# Altium PCB 电解水杯拼版6in1.PcbDoc (part 1 of 9) (continued)
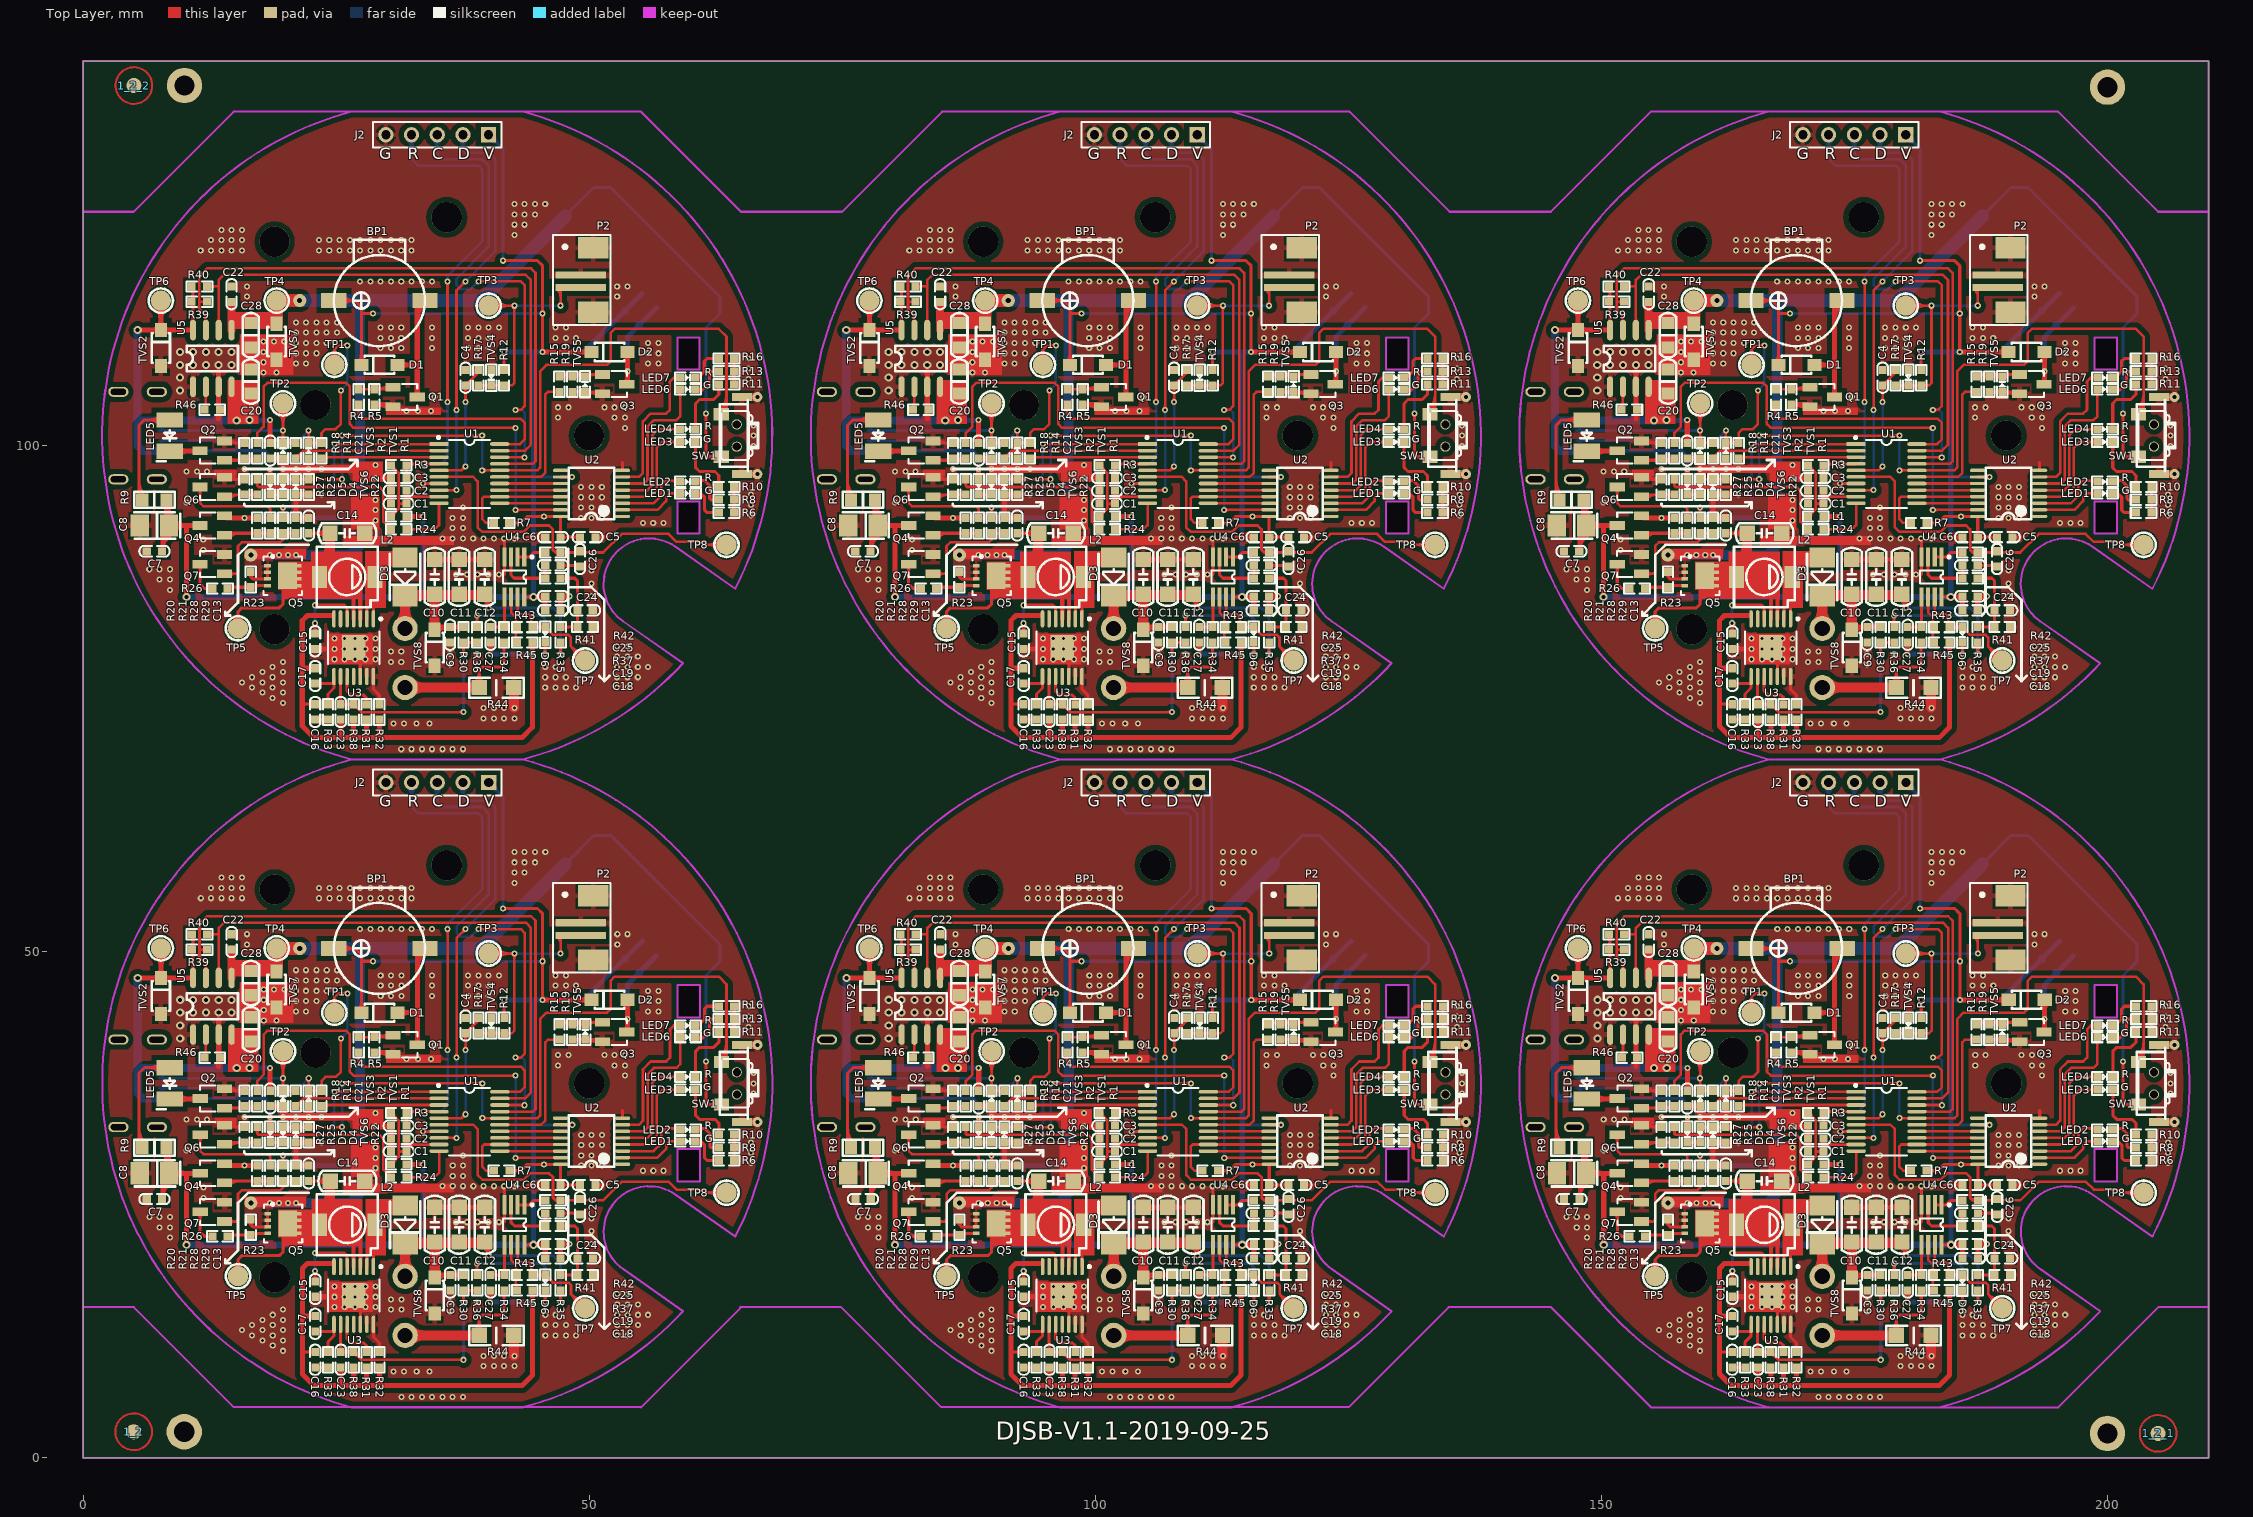
[diagram p0: Top Layer view]
## Components (designator, comment, footprint, x,y, rotation, side; value= is the part's Value field where it differs from the comment) (continued)
Q5 "AON7407" DFN3*3-8 89.758,23.157 r270 top
Q5 "AON7407" DFN3*3-8 19.758,23.157 r270 top
Q5 "AON7407" DFN3*3-8 159.752,87.157 r270 top
Q5 "AON7407" DFN3*3-8 89.752,87.157 r270 top
Q5 "AON7407" DFN3*3-8 19.752,87.157 r270 top
Q6 "S8050" SOT-23 152.773,31.92 r90 top
Q6 "S8050" SOT-23 82.773,31.92 r90 top
Q6 "S8050" SOT-23 12.773,31.92 r90 top
Q6 "S8050" SOT-23 152.767,95.92 r90 top
Q6 "S8050" SOT-23 82.767,95.92 r90 top
Q6 "S8050" SOT-23 12.767,95.92 r90 top
Q7 "S8050" SOT-23 152.773,24.3 r90 top
Q7 "S8050" SOT-23 82.773,24.3 r90 top
Q7 "S8050" SOT-23 12.773,24.3 r90 top
Q7 "S8050" SOT-23 152.767,88.3 r90 top
Q7 "S8050" SOT-23 82.767,88.3 r90 top
Q7 "S8050" SOT-23 12.767,88.3 r90 top
R1 "1K" SMD-0603 163.568,35.511 r270 top
R1 "1K" SMD-0603 93.568,35.511 r270 top
R1 "1K" SMD-0603 23.568,35.511 r270 top
R1 "1K" SMD-0603 163.562,99.511 r270 top
R1 "1K" SMD-0603 93.562,99.511 r270 top
R1 "1K" SMD-0603 23.562,99.511 r270 top
R2 "1K" SMD-0603 161.028,35.511 r270 top
R2 "1K" SMD-0603 91.028,35.511 r270 top
R2 "1K" SMD-0603 21.028,35.511 r270 top
R2 "1K" SMD-0603 161.022,99.511 r270 top
R2 "1K" SMD-0603 91.022,99.511 r270 top
R2 "1K" SMD-0603 21.022,99.511 r270 top
R3 "10K" SMD-0603 171.188,34.079 r0 top
R3 "10K" SMD-0603 101.188,34.079 r0 top
R3 "10K" SMD-0603 31.188,34.079 r0 top
R3 "10K" SMD-0603 171.182,98.079 r0 top
R3 "10K" SMD-0603 101.182,98.079 r0 top
R3 "10K" SMD-0603 31.182,98.079 r0 top
R4 "4.7K" SMD-0603 167.251,40.81 r90 top
R4 "4.7K" SMD-0603 97.251,40.81 r90 top
R4 "4.7K" SMD-0603 27.251,40.81 r90 top
R4 "4.7K" SMD-0603 167.245,104.81 r90 top
R4 "4.7K" SMD-0603 97.245,104.81 r90 top
R4 "4.7K" SMD-0603 27.245,104.81 r90 top
R5 "47K" SMD-0603 168.775,40.81 r270 top
R5 "47K" SMD-0603 98.775,40.81 r270 top
R5 "47K" SMD-0603 28.775,40.81 r270 top
R5 "47K" SMD-0603 168.769,104.81 r270 top
R5 "47K" SMD-0603 98.769,104.81 r270 top
R5 "47K" SMD-0603 28.769,104.81 r270 top
R6 "680R" SMD-0603 203.573,29.38 r0 top
R6 "680R" SMD-0603 133.573,29.38 r0 top
R6 "680R" SMD-0603 63.573,29.38 r0 top
R6 "680R" SMD-0603 203.567,93.38 r0 top
R6 "680R" SMD-0603 133.567,93.38 r0 top
R6 "680R" SMD-0603 63.567,93.38 r0 top
R7 "10K" SMD-0603 181.35,28.368 r0 top
R7 "10K" SMD-0603 111.35,28.368 r0 top
R7 "10K" SMD-0603 41.35,28.368 r0 top
R7 "10K" SMD-0603 181.345,92.368 r0 top
R7 "10K" SMD-0603 111.345,92.368 r0 top
R7 "10K" SMD-0603 41.345,92.368 r0 top
R8 "1K" SMD-0603 203.573,30.65 r0 top
R8 "1K" SMD-0603 133.573,30.65 r0 top
R8 "1K" SMD-0603 63.573,30.65 r0 top
R8 "1K" SMD-0603 203.567,94.65 r0 top
R8 "1K" SMD-0603 133.567,94.65 r0 top
R8 "1K" SMD-0603 63.567,94.65 r0 top
R9 "68R" SMD-0805 147.058,30.65 r0 top
R9 "68R" SMD-0805 77.058,30.65 r0 top
R9 "68R" SMD-0805 7.058,30.65 r0 top
R9 "68R" SMD-0805 147.052,94.65 r0 top
R9 "68R" SMD-0805 77.052,94.65 r0 top
R9 "68R" SMD-0805 7.052,94.65 r0 top
R10 "680R" SMD-0603 203.573,31.92 r0 top
R10 "680R" SMD-0603 133.573,31.92 r0 top
R10 "680R" SMD-0603 63.573,31.92 r0 top
R10 "680R" SMD-0603 203.567,95.92 r0 top
R10 "680R" SMD-0603 133.567,95.92 r0 top
R10 "680R" SMD-0603 63.567,95.92 r0 top
R11 "1K" SMD-0603 203.573,42.08 r0 top
R11 "1K" SMD-0603 133.573,42.08 r0 top
R11 "1K" SMD-0603 63.573,42.08 r0 top
R11 "1K" SMD-0603 203.567,106.08 r0 top
R11 "1K" SMD-0603 133.567,106.08 r0 top
R11 "1K" SMD-0603 63.567,106.08 r0 top
R12 "10K" SMD-0603 181.602,42.715 r90 top
R12 "10K" SMD-0603 111.602,42.715 r90 top
R12 "10K" SMD-0603 41.602,42.715 r90 top
R12 "10K" SMD-0603 181.596,106.715 r90 top
R12 "10K" SMD-0603 111.596,106.715 r90 top
R12 "10K" SMD-0603 41.596,106.715 r90 top
R13 "680R" SMD-0603 203.573,43.35 r0 top
R13 "680R" SMD-0603 133.573,43.35 r0 top
R13 "680R" SMD-0603 63.573,43.35 r0 top
R13 "680R" SMD-0603 203.567,107.35 r0 top
R13 "680R" SMD-0603 133.567,107.35 r0 top
R13 "680R" SMD-0603 63.567,107.35 r0 top
R14 "1K" SMD-0603 157.218,35.511 r270 top
R14 "1K" SMD-0603 87.218,35.511 r270 top
R14 "1K" SMD-0603 17.218,35.511 r270 top
R14 "1K" SMD-0603 157.212,99.511 r270 top
R14 "1K" SMD-0603 87.212,99.511 r270 top
R14 "1K" SMD-0603 17.212,99.511 r270 top
R15 "100R" SMD-0603 187.063,42.08 r90 top
R15 "100R" SMD-0603 117.063,42.08 r90 top
R15 "100R" SMD-0603 47.063,42.08 r90 top
R15 "100R" SMD-0603 187.057,106.08 r90 top
R15 "100R" SMD-0603 117.057,106.08 r90 top
R15 "100R" SMD-0603 47.057,106.08 r90 top
R16 "1K" SMD-0603 203.573,44.62 r0 top
R16 "1K" SMD-0603 133.573,44.62 r0 top
R16 "1K" SMD-0603 63.573,44.62 r0 top
R16 "1K" SMD-0603 203.567,108.62 r0 top
R16 "1K" SMD-0603 133.567,108.62 r0 top
R16 "1K" SMD-0603 63.567,108.62 r0 top
R17 "1K" SMD-0603 179.062,42.715 r270 top
R17 "1K" SMD-0603 109.062,42.715 r270 top
R17 "1K" SMD-0603 39.062,42.715 r270 top
R17 "1K" SMD-0603 179.056,106.715 r270 top
R17 "1K" SMD-0603 109.056,106.715 r270 top
R17 "1K" SMD-0603 39.056,106.715 r270 top
R18 "47K" SMD-0603 155.948,35.511 r90 top
R18 "47K" SMD-0603 85.948,35.511 r90 top
R18 "47K" SMD-0603 15.948,35.511 r90 top
R18 "47K" SMD-0603 155.942,99.511 r90 top
R18 "47K" SMD-0603 85.942,99.511 r90 top
R18 "47K" SMD-0603 15.942,99.511 r90 top
R19 "10K" SMD-0603 188.333,42.08 r90 top
R19 "10K" SMD-0603 118.333,42.08 r90 top
R19 "10K" SMD-0603 48.333,42.08 r90 top
R19 "10K" SMD-0603 188.327,106.08 r90 top
R19 "10K" SMD-0603 118.327,106.08 r90 top
R19 "10K" SMD-0603 48.327,106.08 r90 top
R20 "47K" SMD-0603 157.218,28.11 r270 top
R20 "47K" SMD-0603 87.218,28.11 r270 top
R20 "47K" SMD-0603 17.218,28.11 r270 top
R20 "47K" SMD-0603 157.212,92.11 r270 top
R20 "47K" SMD-0603 87.212,92.11 r270 top
R20 "47K" SMD-0603 17.212,92.11 r270 top
R21 "1K" SMD-0603 158.488,28.11 r270 top
R21 "1K" SMD-0603 88.488,28.11 r270 top
R21 "1K" SMD-0603 18.488,28.11 r270 top
R21 "1K" SMD-0603 158.482,92.11 r270 top
R21 "1K" SMD-0603 88.482,92.11 r270 top
R21 "1K" SMD-0603 18.482,92.11 r270 top
R22 "10K" SMD-0603 162.298,31.92 r270 top
R22 "10K" SMD-0603 92.298,31.92 r270 top
R22 "10K" SMD-0603 22.298,31.92 r270 top
R22 "10K" SMD-0603 162.292,95.92 r270 top
R22 "10K" SMD-0603 92.292,95.92 r270 top
R22 "10K" SMD-0603 22.292,95.92 r270 top
R23 "47K" SMD-0603 156.583,22.776 r270 top
R23 "47K" SMD-0603 86.583,22.776 r270 top
R23 "47K" SMD-0603 16.583,22.776 r270 top
R23 "47K" SMD-0603 156.577,86.776 r270 top
R23 "47K" SMD-0603 86.577,86.776 r270 top
R23 "47K" SMD-0603 16.577,86.776 r270 top
R24 "1K" SMD-0603 171.188,27.729 r180 top
R24 "1K" SMD-0603 101.188,27.729 r180 top
R24 "1K" SMD-0603 31.188,27.729 r180 top
R24 "1K" SMD-0603 171.182,91.729 r180 top
R24 "1K" SMD-0603 101.182,91.729 r180 top
R24 "1K" SMD-0603 31.182,91.729 r180 top
R25 "1K" SMD-0603 157.217,31.921 r270 top
R25 "1K" SMD-0603 87.217,31.921 r270 top
R25 "1K" SMD-0603 17.217,31.921 r270 top
R25 "1K" SMD-0603 157.212,95.921 r270 top
R25 "1K" SMD-0603 87.212,95.921 r270 top
R25 "1K" SMD-0603 17.212,95.921 r270 top
R26 "1K" SMD-0603 153.535,21.887 r180 top
R26 "1K" SMD-0603 83.535,21.887 r180 top
R26 "1K" SMD-0603 13.535,21.887 r180 top
R26 "1K" SMD-0603 153.529,85.887 r180 top
R26 "1K" SMD-0603 83.529,85.887 r180 top
R26 "1K" SMD-0603 13.529,85.887 r180 top
R27 "47K" SMD-0603 155.947,31.921 r270 top
R27 "47K" SMD-0603 85.947,31.921 r270 top
R27 "47K" SMD-0603 15.947,31.921 r270 top
R27 "47K" SMD-0603 155.942,95.921 r270 top
R27 "47K" SMD-0603 85.942,95.921 r270 top
R27 "47K" SMD-0603 15.942,95.921 r270 top
R28 "1K" SMD-0603 159.76,28.114 r270 top
R28 "1K" SMD-0603 89.76,28.114 r270 top
R28 "1K" SMD-0603 19.76,28.114 r270 top
R28 "1K" SMD-0603 159.755,92.114 r270 top
R28 "1K" SMD-0603 89.755,92.114 r270 top
R28 "1K" SMD-0603 19.755,92.114 r270 top
R29 "47K" SMD-0603 161.03,28.114 r270 top
R29 "47K" SMD-0603 91.03,28.114 r270 top
R29 "47K" SMD-0603 21.03,28.114 r270 top
R29 "47K" SMD-0603 161.025,92.114 r270 top
R29 "47K" SMD-0603 91.025,92.114 r270 top
R29 "47K" SMD-0603 21.025,92.114 r270 top
R30 "180K" SMD-0603 177.591,17.319 r90 top
R30 "180K" SMD-0603 107.591,17.319 r90 top
R30 "180K" SMD-0603 37.591,17.319 r90 top
R30 "180K" SMD-0603 177.585,81.319 r90 top
R30 "180K" SMD-0603 107.585,81.319 r90 top
R30 "180K" SMD-0603 37.585,81.319 r90 top
R31 "78.7K" SMD-0603 168.015,9.684 r90 top
R31 "78.7K" SMD-0603 98.015,9.684 r90 top
R31 "78.7K" SMD-0603 28.015,9.684 r90 top
R31 "78.7K" SMD-0603 168.01,73.684 r90 top
R31 "78.7K" SMD-0603 98.01,73.684 r90 top
R31 "78.7K" SMD-0603 28.01,73.684 r90 top
R32 "0R" SMD-0603 169.282,9.696 r270 top
R32 "0R" SMD-0603 99.282,9.696 r270 top
R32 "0R" SMD-0603 29.282,9.696 r270 top
R32 "0R" SMD-0603 169.277,73.696 r270 top
R32 "0R" SMD-0603 99.277,73.696 r270 top
R32 "0R" SMD-0603 29.277,73.696 r270 top
R33 "2.55K" SMD-0603 164.202,9.696 r90 top
R33 "2.55K" SMD-0603 94.202,9.696 r90 top
R33 "2.55K" SMD-0603 24.202,9.696 r90 top
R33 "2.55K" SMD-0603 164.197,73.696 r90 top
R33 "2.55K" SMD-0603 94.197,73.696 r90 top
R33 "2.55K" SMD-0603 24.197,73.696 r90 top
R34 "10K" SMD-0603 181.602,17.315 r90 top
R34 "10K" SMD-0603 111.602,17.315 r90 top
R34 "10K" SMD-0603 41.602,17.315 r90 top
R34 "10K" SMD-0603 181.596,81.315 r90 top
R34 "10K" SMD-0603 111.596,81.315 r90 top
R34 "10K" SMD-0603 41.596,81.315 r90 top
R35 "100K" SMD-0603 187.189,17.316 r270 top
R35 "100K" SMD-0603 117.189,17.316 r270 top
R35 "100K" SMD-0603 47.189,17.316 r270 top
R35 "100K" SMD-0603 187.184,81.316 r270 top
R35 "100K" SMD-0603 117.184,81.316 r270 top
R35 "100K" SMD-0603 47.184,81.316 r270 top
R36 "1K" SMD-0603 178.935,17.315 r90 top
R36 "1K" SMD-0603 108.935,17.315 r90 top
R36 "1K" SMD-0603 38.935,17.315 r90 top
R36 "1K" SMD-0603 178.929,81.315 r90 top
R36 "1K" SMD-0603 108.929,81.315 r90 top
R36 "1K" SMD-0603 38.929,81.315 r90 top
R37 "10K" SMD-0603 186.427,22.904 r0 top
R37 "10K" SMD-0603 116.427,22.904 r0 top
R37 "10K" SMD-0603 46.427,22.904 r0 top
R37 "10K" SMD-0603 186.422,86.904 r0 top
R37 "10K" SMD-0603 116.422,86.904 r0 top
R37 "10K" SMD-0603 46.422,86.904 r0 top
R38 "10K" SMD-0603 166.742,9.696 r90 top
R38 "10K" SMD-0603 96.742,9.696 r90 top
R38 "10K" SMD-0603 26.742,9.696 r90 top
R38 "10K" SMD-0603 166.737,73.696 r90 top
R38 "10K" SMD-0603 96.737,73.696 r90 top
R38 "10K" SMD-0603 26.737,73.696 r90 top
R39 "10K" SMD-0603 151.503,50.208 r180 top
R39 "10K" SMD-0603 81.503,50.208 r180 top
R39 "10K" SMD-0603 11.503,50.208 r180 top
R39 "10K" SMD-0603 151.497,114.208 r180 top
R39 "10K" SMD-0603 81.497,114.208 r180 top
R39 "10K" SMD-0603 11.497,114.208 r180 top
R40 "10K" SMD-0603 151.503,51.732 r180 top
R40 "10K" SMD-0603 81.503,51.732 r180 top
R40 "10K" SMD-0603 11.503,51.732 r180 top
R40 "10K" SMD-0603 151.497,115.732 r180 top
R40 "10K" SMD-0603 81.497,115.732 r180 top
R40 "10K" SMD-0603 11.497,115.732 r180 top
R41 "10K" SMD-0603 189.602,18.078 r180 top
R41 "10K" SMD-0603 119.602,18.078 r180 top
R41 "10K" SMD-0603 49.602,18.078 r180 top
R41 "10K" SMD-0603 189.597,82.078 r180 top
R41 "10K" SMD-0603 119.597,82.078 r180 top
R41 "10K" SMD-0603 49.597,82.078 r180 top
R42 "1K" SMD-0603 186.427,25.444 r180 top
R42 "1K" SMD-0603 116.427,25.444 r180 top
R42 "1K" SMD-0603 46.427,25.444 r180 top
R42 "1K" SMD-0603 186.422,89.444 r180 top
R42 "1K" SMD-0603 116.422,89.444 r180 top
R42 "1K" SMD-0603 46.422,89.444 r180 top
R43 "100K" SMD-0603 183.634,18.077 r0 top
R43 "100K" SMD-0603 113.634,18.077 r0 top
R43 "100K" SMD-0603 43.634,18.077 r0 top
R43 "100K" SMD-0603 183.628,82.077 r0 top
R43 "100K" SMD-0603 113.628,82.077 r0 top
R43 "100K" SMD-0603 43.628,82.077 r0 top
R44 "1R" SMD-1206 180.84,12.108 r180 top
R44 "1R" SMD-1206 110.84,12.108 r180 top
R44 "1R" SMD-1206 40.84,12.108 r180 top
R44 "1R" SMD-1206 180.834,76.108 r180 top
R44 "1R" SMD-1206 110.834,76.108 r180 top
R44 "1R" SMD-1206 40.834,76.108 r180 top
R45 "13K" SMD-0603 183.634,16.553 r0 top
R45 "13K" SMD-0603 113.634,16.553 r0 top
R45 "13K" SMD-0603 43.634,16.553 r0 top
R45 "13K" SMD-0603 183.628,80.553 r0 top
R45 "13K" SMD-0603 113.628,80.553 r0 top
R45 "13K" SMD-0603 43.628,80.553 r0 top
R46 "1.6K" SMD-0603 152.773,39.54 r180 top
R46 "1.6K" SMD-0603 82.773,39.54 r180 top
R46 "1.6K" SMD-0603 12.773,39.54 r180 top
R46 "1.6K" SMD-0603 152.767,103.54 r180 top
R46 "1.6K" SMD-0603 82.767,103.54 r180 top
R46 "1.6K" SMD-0603 12.767,103.54 r180 top
SW1 "SW-BP" PB-3*6*3.5侧 204.588,37.001 r90 top
SW1 "SW-BP" PB-3*6*3.5侧 134.588,37.001 r90 top
SW1 "SW-BP" PB-3*6*3.5侧 64.588,37.001 r90 top
SW1 "SW-BP" PB-3*6*3.5侧 204.583,101.001 r90 top
SW1 "SW-BP" PB-3*6*3.5侧 134.583,101.001 r90 top
SW1 "SW-BP" PB-3*6*3.5侧 64.583,101.001 r90 top
TP1 "testpoint" TP 164.838,43.985 r0 top
TP1 "testpoint" TP 94.838,43.985 r0 top
TP1 "testpoint" TP 24.838,43.985 r0 top
TP1 "testpoint" TP 164.832,107.985 r0 top
TP1 "testpoint" TP 94.832,107.985 r0 top
TP1 "testpoint" TP 24.832,107.985 r0 top
TP2 "testpoint" TP 159.758,40.175 r0 top
TP2 "testpoint" TP 89.758,40.175 r0 top
TP2 "testpoint" TP 19.758,40.175 r0 top
TP2 "testpoint" TP 159.752,104.175 r0 top
TP2 "testpoint" TP 89.752,104.175 r0 top
TP2 "testpoint" TP 19.752,104.175 r0 top
TP3 "testpoint" TP 180.08,49.831 r0 top
TP3 "testpoint" TP 110.08,49.831 r0 top
TP3 "testpoint" TP 40.08,49.831 r0 top
TP3 "testpoint" TP 180.075,113.831 r0 top
TP3 "testpoint" TP 110.075,113.831 r0 top
TP3 "testpoint" TP 40.075,113.831 r0 top
TP4 "testpoint" TP 159.129,50.335 r0 top
TP4 "testpoint" TP 89.129,50.335 r0 top
TP4 "testpoint" TP 19.129,50.335 r0 top
TP4 "testpoint" TP 159.124,114.335 r0 top
TP4 "testpoint" TP 89.124,114.335 r0 top
TP4 "testpoint" TP 19.124,114.335 r0 top
TP5 "testpoint" TP 155.313,17.95 r0 top
TP5 "testpoint" TP 85.313,17.95 r0 top
TP5 "testpoint" TP 15.313,17.95 r0 top
TP5 "testpoint" TP 155.307,81.95 r0 top
TP5 "testpoint" TP 85.307,81.95 r0 top
TP5 "testpoint" TP 15.307,81.95 r0 top
TP6 "testpoint" TP 147.693,50.335 r0 top
TP6 "testpoint" TP 77.693,50.335 r0 top
TP6 "testpoint" TP 7.693,50.335 r0 top
TP6 "testpoint" TP 147.687,114.335 r0 top
TP6 "testpoint" TP 77.687,114.335 r0 top
TP6 "testpoint" TP 7.687,114.335 r0 top
TP7 "testpoint" TP 189.602,14.776 r0 top
TP7 "testpoint" TP 119.602,14.776 r0 top
TP7 "testpoint" TP 49.602,14.776 r0 top
TP7 "testpoint" TP 189.597,78.776 r0 top
TP7 "testpoint" TP 119.597,78.776 r0 top
TP7 "testpoint" TP 49.597,78.776 r0 top
TP8 "testpoint" TP 203.573,26.205 r0 top
TP8 "testpoint" TP 133.573,26.205 r0 top
TP8 "testpoint" TP 63.573,26.205 r0 top
TP8 "testpoint" TP 203.567,90.205 r0 top
TP8 "testpoint" TP 133.567,90.205 r0 top
TP8 "testpoint" TP 63.567,90.205 r0 top
TVS1 "ESD5Z5.0T1G" SOD-523 162.298,35.511 r90 top
TVS1 "ESD5Z5.0T1G" SOD-523 92.298,35.511 r90 top
TVS1 "ESD5Z5.0T1G" SOD-523 22.298,35.511 r90 top
TVS1 "ESD5Z5.0T1G" SOD-523 162.292,99.511 r90 top
TVS1 "ESD5Z5.0T1G" SOD-523 92.292,99.511 r90 top
TVS1 "ESD5Z5.0T1G" SOD-523 22.292,99.511 r90 top
TVS2 "CESD5V0D1 KE" SOD-123 147.695,45.64 r90 top
TVS2 "CESD5V0D1 KE" SOD-123 77.695,45.64 r90 top
TVS2 "CESD5V0D1 KE" SOD-123 7.695,45.64 r90 top
TVS2 "CESD5V0D1 KE" SOD-123 147.69,109.64 r90 top
TVS2 "CESD5V0D1 KE" SOD-123 77.69,109.64 r90 top
TVS2 "CESD5V0D1 KE" SOD-123 7.69,109.64 r90 top
TVS3 "ESD5Z5.0T1G" SOD-523 159.758,35.511 r90 top
TVS3 "ESD5Z5.0T1G" SOD-523 89.758,35.511 r90 top
TVS3 "ESD5Z5.0T1G" SOD-523 19.758,35.511 r90 top
TVS3 "ESD5Z5.0T1G" SOD-523 159.752,99.511 r90 top
TVS3 "ESD5Z5.0T1G" SOD-523 89.752,99.511 r90 top
TVS3 "ESD5Z5.0T1G" SOD-523 19.752,99.511 r90 top
TVS4 "ESD5Z5.0T1G" SOD-523 180.332,42.715 r270 top
TVS4 "ESD5Z5.0T1G" SOD-523 110.332,42.715 r270 top
TVS4 "ESD5Z5.0T1G" SOD-523 40.332,42.715 r270 top
TVS4 "ESD5Z5.0T1G" SOD-523 180.326,106.715 r270 top
TVS4 "ESD5Z5.0T1G" SOD-523 110.326,106.715 r270 top
TVS4 "ESD5Z5.0T1G" SOD-523 40.326,106.715 r270 top
TVS5 "ESD5Z5.0T1G" SOD-523 189.603,42.08 r90 top
TVS5 "ESD5Z5.0T1G" SOD-523 119.603,42.08 r90 top
TVS5 "ESD5Z5.0T1G" SOD-523 49.603,42.08 r90 top
TVS5 "ESD5Z5.0T1G" SOD-523 189.597,106.08 r90 top
TVS5 "ESD5Z5.0T1G" SOD-523 119.597,106.08 r90 top
TVS5 "ESD5Z5.0T1G" SOD-523 49.597,106.08 r90 top
TVS6 "ESD5Z5.0T1G" SOD-523 161.028,31.92 r90 top
TVS6 "ESD5Z5.0T1G" SOD-523 91.028,31.92 r90 top
TVS6 "ESD5Z5.0T1G" SOD-523 21.028,31.92 r90 top
TVS6 "ESD5Z5.0T1G" SOD-523 161.022,95.92 r90 top
TVS6 "ESD5Z5.0T1G" SOD-523 91.022,95.92 r90 top
TVS6 "ESD5Z5.0T1G" SOD-523 21.022,95.92 r90 top
TVS7 "CESD5V0D1 KE" SOD-123 159.125,46.275 r90 top
TVS7 "CESD5V0D1 KE" SOD-123 89.125,46.275 r90 top
TVS7 "CESD5V0D1 KE" SOD-123 19.125,46.275 r90 top
TVS7 "CESD5V0D1 KE" SOD-123 159.12,110.275 r90 top
TVS7 "CESD5V0D1 KE" SOD-123 89.12,110.275 r90 top
TVS7 "CESD5V0D1 KE" SOD-123 19.12,110.275 r90 top
TVS8 "NC" SOD-123 174.744,16.045 r90 top
TVS8 "NC" SOD-123 104.744,16.045 r90 top
TVS8 "NC" SOD-123 34.744,16.045 r90 top
TVS8 "NC" SOD-123 174.738,80.045 r90 top
TVS8 "NC" SOD-123 104.738,80.045 r90 top
TVS8 "NC" SOD-123 34.738,80.045 r90 top
U1 "N76E003AT20" TSSOP20 178.173,33.241 r0 top
U1 "N76E003AT20" TSSOP20 108.173,33.241 r0 top
U1 "N76E003AT20" TSSOP20 38.173,33.241 r0 top
U1 "N76E003AT20" TSSOP20 178.167,97.241 r0 top
U1 "N76E003AT20" TSSOP20 108.167,97.241 r0 top
U1 "N76E003AT20" TSSOP20 38.167,97.241 r0 top
U2 "74HC595" SSOP-16 190.238,31.285 r90 top
U2 "74HC595" SSOP-16 120.238,31.285 r90 top
U2 "74HC595" SSOP-16 50.238,31.285 r90 top
U2 "74HC595" SSOP-16 190.232,95.285 r90 top
U2 "74HC595" SSOP-16 120.232,95.285 r90 top
U2 "74HC595" SSOP-16 50.232,95.285 r90 top
U3 "TPS55340PWPR" TSSOP-14 166.742,16.046 r270 top
U3 "TPS55340PWPR" TSSOP-14 96.742,16.046 r270 top
U3 "TPS55340PWPR" TSSOP-14 26.742,16.046 r270 top
U3 "TPS55340PWPR" TSSOP-14 166.737,80.046 r270 top
U3 "TPS55340PWPR" TSSOP-14 96.737,80.046 r270 top
U3 "TPS55340PWPR" TSSOP-14 26.737,80.046 r270 top
U4 "SGM358YMS/TR" MSOP-8 182.618,23.03 r270 top
U4 "SGM358YMS/TR" MSOP-8 112.618,23.03 r270 top
U4 "SGM358YMS/TR" MSOP-8 42.618,23.03 r270 top
U4 "SGM358YMS/TR" MSOP-8 182.612,87.03 r270 top
U4 "SGM358YMS/TR" MSOP-8 112.612,87.03 r270 top
U4 "SGM358YMS/TR" MSOP-8 42.612,87.03 r270 top
U5 "TP4056" ESOP-8 152.773,44.62 r90 top
U5 "TP4056" ESOP-8 82.773,44.62 r90 top
U5 "TP4056" ESOP-8 12.773,44.62 r90 top
U5 "TP4056" ESOP-8 152.767,108.62 r90 top
U5 "TP4056" ESOP-8 82.767,108.62 r90 top
U5 "TP4056" ESOP-8 12.767,108.62 r90 top

## Footprints (in the part's own frame and the unit in brackets; to place one, negate y for a bottom-side part, rotate by r counter-clockwise, add the part's x,y. Pads: shape width x height; smd on the part's side, far side on the other; paste and mask are expansions set on the pad)
DFN3*3-8 [mm] "QFN, 16-Leads, Body 3.30x3.30mm, Pitch 0.65mm, Thermal Pad 2.45x2.45mm, IPC Medium Density"
  rect 0.35x0.65 smd: 1(0.975,-1.525) 2(-0.975,1.525) 2(-0.325,1.525) 2(0.325,1.525) 2(0.975,1.525) 3(-0.975,-1.525) 3(-0.325,-1.525) 3(0.325,-1.525)
  rect 2.6x1.84 smd: 2(0,0.45)
  silkscreen extent -2.03,-1.9 1.9,1.9, body extent -1.75,-1.75 1.75,1.75, height 0.8
DO-214-AC [mm] "Molded Diode, 2-Leads, Body 4.5x2.6mm, IPC Medium Density"
  rect 2x2.5 smd: 1(-1.915,0) 2(1.915,0)
  silkscreen extent -2.3,-1.52 2.3,1.5, body extent -2.3,-1.35 2.3,1.35, height 2.4
ESOP-8 [mil] "中体积贴片-带散热"
  oval 80x24 smd: 1(-110,75) 2(-110,25) 3(-110,-25) 4(-110,-75) 5(110,-75) 6(110,-25) 7(110,25) 8(110,75)
  silkscreen extent -50,-100 50,100, body extent -119,-99 119,99, height 63
LED-3528 [mm] "贴片二极管"
  rect 1.5x2.6 smd: 1(-1.55,0) 2(1.55,0)
  silkscreen extent -0.51,-1.27 2.54,0.64
MARK [mm]
  round 4 on Bottom Solder: 0(0,0)
  round 1.5 smd far side: 1(0,0)
  Bottom Layer circle w0.2: c0,0 r1.811
MARKA [mm]
  round 4 on Top Solder: 0(0,0)
  round 1.5 smd: 1(0,0)
  Top Layer circle w0.2: c0,0 r1.811
MSOP-8 [mm] "TSOP, 8-Leads, Body 3.1x3.1mm (max), Pitch 0.65mm, IPC Medium Density"
  rect 1.9x0.4 smd: 1(-1.975,0.975) 2(-1.975,0.325) 3(-1.975,-0.325) 4(-1.975,-0.975) 5(1.975,-0.975) 6(1.975,-0.325) 7(1.975,0.325) 8(1.975,0.975)
  silkscreen extent -2.1,-1.14 0.64,1.88, body extent -2.45,-1.5 2.45,1.5, height 1.15
PB-3*6*3.5侧 [mm] "3*6*2.5贴片按键"
  rect 0.8x2 smd: 0(-3.8,-0.508) 0(3.8,-0.508)
  round 1 hole 0.8: 0(-1.1,0) 0(1.1,0)
  rect 1.2x1.5 smd: 1(-2.1,1.524) 2(2.1,1.524)
  silkscreen extent -3.5,-2.1 3.5,1.7
PH2.0-2P-LI [mm]
  rect 1.6x3 smd: 0(-3.9,2.123) 0(3.9,2.123)
  rect 1x5.5 smd: 1(-1,0) 2(1,0)
  silkscreen extent -4,0 4,5.4, body extent -4.06,-1.9 3.94,5.5, height 6.5
sip-5 [mm]
  rect 1.5x1.5 hole 0.9: 1(-5.08,0)
  round 1.5 hole 0.9: 2(-2.54,0) 3(0,0) 4(2.54,0) 5(5.08,0)
  silkscreen extent -6.35,-1.27 6.35,1.27
SLF6208T [mm] "Precision Wire Wound Inductor, 2-Leads, Body 5.3x5.3mm, IPC Medium Density"
  rect 1.5x2.2 smd: 1(-2.75,0) 2(2.75,0)
  silkscreen extent -3,-3 3,3, body extent -3,-2.95 3,3.05, height 2.8
SMD-0603 [mil] "W1/32贴片电阻"
  rect 31.5x30 smd: 1(-30,0) 2(30,0)
  silkscreen extent -50,-20 50,20, body extent -31,-16 32,16, height 18
SMD-0603C [mil] "贴片电容"
  rect 31.5x30 smd: 1(-30,0) 2(30,0)
  silkscreen extent -59,-20 59,20, body extent -31,-16 32,16
SMD-0603D [mil] "贴片二极管"
  rect 31.5x30 smd: 1(-30,0) 2(30,0)
  silkscreen extent -51,-20 51,20, body extent -31,-16 32,16, height 26
SMD-0805 [mm] "贴片电阻"
  rect 1.2x1.27 smd: 1(-1.2,0) 2(1.2,0)
  silkscreen extent -2,-0.8 2,0.8, body extent -1,-0.63 1,0.63, height 0.55
SMD-0805C [mm] "0805贴片电容"
  rect 1.2x1.27 smd: 1(-1.2,0) 2(1.2,0)
  silkscreen extent -2.2,-0.8 2.2,0.8, body extent -1.42,-0.67 1.58,0.73, height 0.93
SMD-1206 [mil] "贴片电阻"
  rect 60x60 smd: 1(-68,0) 2(67,0)
  silkscreen extent -106,-38 106,39, body extent -63,-31 63,32, height 24
SMD-1206C [mil] "贴片电容"
  rect 60x60 smd: 1(-68,0) 2(67,0)
  silkscreen extent -113,-39 112,39, body extent -63,-31 63,32, height 24
SMD-3528-B [mm] "Molded Capacitor, 2-Leads, Body 3.5x2.2mm, IPC Medium Density"
  rect 1.8x2.2 smd: 1(-1.45,0) 2(1.45,0)
  silkscreen extent -2.54,-1.3 2.01,1.3, body extent -1.85,-1.46 1.85,1.47, height 2.03
SOD-123 [mm]
  rect 1.4x1.2 smd: 1(-1.778,0) 2(1.778,0)
  silkscreen extent -1.45,-0.9 1.45,0.9, body extent -1.85,-0.8 1.85,0.8, height 1.2
SOD-523 [mil] "贴片二极管"
  rect 31.5x30 smd: 1(-30,0) 2(30,0)
  silkscreen extent -51,-20 51,20, body extent -31,-16 32,16, height 26
SOT-23 [mm]
  rect 0.85x1.5 smd: 1(-0.95,-1.2) 2(0.95,-1.2) 3(0,1.2)
  silkscreen extent -1.27,-0.3 1.28,1.2, body extent -1.45,-1.4 1.45,1.4, height 1.2
SP2-1.25 [mm]
  rect 0.7x5 smd: 1(-0.625,0.201) 2(0.625,0.201)
  rect 2.1x3 smd: 6(-3.302,1.45) 7(3.048,1.45)
  silkscreen extent -4.55,-2.55 4.3,3.15
SP9025 [mm] "嗡鸣器"
  rect 2.5x1.5 smd: 1(4.5,0) 2(-4.5,0)
  silkscreen extent -4.5,-6 4.5,4.5
SSOP-16 [mm] "高密度SOP16"
  oval 0.33x1.5 smd: 1(-2.275,-3.069) 2(-1.625,-3.069) 3(-0.975,-3.069) 4(-0.325,-3.069) 5(0.325,-3.069) 6(0.975,-3.069) 7(1.625,-3.069) 8(2.275,-3.069) 9(2.275,3.069) 10(1.625,3.069) 11(0.975,3.069) 12(0.325,3.069) 13(-0.325,3.069) 14(-0.975,3.069) 15(-1.625,3.069) 16(-2.286,3.048)
  silkscreen extent -2.54,-2.25 2.54,2.26
TP [mm] "Test Point"
  round 2 smd: 1(0,0)
  silkscreen extent -1.2,-1.2 1.2,1.2
TSSOP20 [mm] "20-pin, 4.40 mm body, 0.65"
  rect 1.9x0.356 smd: 1(-3,2.921)
  oval 1.9x0.356 smd: 2(-3,2.271) 3(-3,1.621) 4(-3,0.971) 5(-3,0.321) 6(-3,-0.329) 7(-3,-0.979) 8(-3,-1.629) 9(-3,-2.279) 10(-3,-2.929) 11(3,-2.929) 12(3,-2.279) 13(3,-1.629) 14(3,-0.979) 15(3,-0.329) 16(3,0.321) 17(3,0.971) 18(3,1.621) 19(3,2.271) 20(3,2.921)
  silkscreen extent -3.17,-3.38 2.03,3.68, body extent -3.28,-3.3 3.27,3.3, height 1.2
TSSOP-14 [mm] "TSOP, 14-Leads, Body 5.00x4.40mm, Pitch 0.65mm, Thermal Pad 2.31.2x2.46.2mm, IPC Medium Density"
  oval 1.7x0.35 smd: 1(-2.85,1.95) 2(-2.85,1.3) 3(-2.85,0.65) 4(-2.85,0) 5(-2.85,-0.65) 6(-2.85,-1.3) 7(-2.85,-1.95) 8(2.85,-1.95) 9(2.85,-1.3) 10(2.85,-0.65) 11(2.85,0) 12(2.85,0.65) 13(2.85,1.3) 14(2.85,1.95)
  rect 2.46x2.31 smd: 15(0,0)
  silkscreen extent -2.97,-2.55 1.6,2.8, body extent -2.25,-2.55 2.25,2.55, height 1.2
USB-TYPE-C-6P [mm] "USN MINI"
  oval 1x2 hole 0.6 slot 1.5 at 90 deg: 0(-4.32,-1.9) 0(4.32,-1.9) 0(4.32,1.9)
  oval 1x2 hole 0.5 slot 1.5 at 90 deg: 0(-4.32,1.9)
  rect 0.8x1 smd: 1(-2.7,2.126) 2(-1.5,2.126) 5(1.5,2.126) 6(2.7,2.126)
  rect 0.7x1 smd: 3(-0.5,2.126) 4(0.5,2.126)
  silkscreen extent -4.47,-4.5 4.47,1.45, body extent -4.47,-5.21 4.47,2.69, height 3.08

## Part data
BP1 BP1 BP1 BP1 BP1 BP1: library part SPEAKER, "无源蜂鸣器 3.3V 频率2731"
C1 C1 C1 C1 C1 C1 C2 C2 C2 C2 C2 C2 C3 C3 C3 C3 C3 C3 C4 C4 C4 C4 C4 C4 C5 C5 C5 C5 C5 C5 C6 C6 C6 C6 C6 C6 C7 C7 C7 C7 C7 C7 C9 C9 C9 C9 C9 C9 C13 C13 C13 C13 C13 C13 C15 C15 C15 C15 C15 C15 C16 C16 C16 C16 C16 C16 C17 C17 C17 C17 C17 C17 C18 C18 C18 C18 C18 C18 C19 C19 C19 C19 C19 C19 C21 C21 C21 C21 C21 C21 C22 C22 C22 C22 C22 C22 C24 C24 C24 C24 C24 C24 C25 C25 C25 C25 C25 C25: library part CAP4, "贴片电容 10%"
C8 C8 C8 C8 C8 C8: library part CAP2, "钽电容"
C10 C10 C10 C10 C10 C10 C11 C11 C11 C11 C11 C11 C12 C12 C12 C12 C12 C12 C14 C14 C14 C14 C14 C14 C20 C20 C20 C20 C20 C20 C28 C28 C28 C28 C28 C28: library part CAP4, "贴片电容 20%"
C23 C23 C23 C23 C23 C23 C27 C27 C27 C27 C27 C27: library part C, "贴片电容 5%"
C26 C26 C26 C26 C26 C26: library part C, "贴片电容 10%"
D1 D1 D1 D1 D1 D1 D2 D2 D2 D2 D2 D2 D4 D4 D4 D4 D4 D4 D5 D5 D5 D5 D5 D5 D6 D6 D6 D6 D6 D6: library part DIODE2, "小封装二极管"
D3 D3 D3 D3 D3 D3: library part DIODE2, "肖特基二极管"
J1 J1 J1 J1 J1 J1: library part SIP-6, "USB 3.1 Type-C 2.0短体母座 6P贴片式"
J2 J2 J2 J2 J2 J2: library part SIP-5, "下载口(NC)"
L1 L1 L1 L1 L1 L1: library part CIZHU1, "贴片磁珠100R 100M"
L2 L2 L2 L2 L2 L2: library part Inductor1, "10uH 1A"
LED1 LED1 LED1 LED1 LED1 LED1 LED3 LED3 LED3 LED3 LED3 LED3 LED6 LED6 LED6 LED6 LED6 LED6: library part LED0, "绿色高亮"
LED2 LED2 LED2 LED2 LED2 LED2 LED4 LED4 LED4 LED4 LED4 LED4 LED7 LED7 LED7 LED7 LED7 LED7: library part LED0, "红色高亮"
LED5 LED5 LED5 LED5 LED5 LED5: library part LED0, "LED 3528 蓝"
P1 P1 P1 P1 P1 P1 P4 P4 P4 P4 P4 P4: library part SIP-2, "间距2.0mm 立贴 2Pin"
P2 P2 P2 P2 P2 P2: library part RES3, "卧贴"
Q1 Q1 Q1 Q1 Q1 Q1 Q2 Q2 Q2 Q2 Q2 Q2 Q6 Q6 Q6 Q6 Q6 Q6 Q7 Q7 Q7 Q7 Q7 Q7: library part NPN-1, "NPN"
Q3 Q3 Q3 Q3 Q3 Q3: library part "MOSFET N", "MOSFET N"
Q4 Q4 Q4 Q4 Q4 Q4: library part "MOSFET P", "MOSFET P"
Q5 Q5 Q5 Q5 Q5 Q5: library part MOSFET-P-B, "MOSFET-P"
R1 R1 R1 R1 R1 R1 R2 R2 R2 R2 R2 R2 R3 R3 R3 R3 R3 R3 R4 R4 R4 R4 R4 R4 R5 R5 R5 R5 R5 R5 R6 R6 R6 R6 R6 R6 R7 R7 R7 R7 R7 R7 R8 R8 R8 R8 R8 R8 R9 R9 R9 R9 R9 R9 R10 R10 R10 R10 R10 R10 R11 R11 R11 R11 R11 R11 R13 R13 R13 R13 R13 R13 R14 R14 R14 R14 R14 R14 R15 R15 R15 R15 R15 R15 R16 R16 R16 R16 R16 R16 R17 R17 R17 R17 R17 R17 R18 R18 R18 R18 R18 R18 R19 R19 R19 R19 R19 R19 R37 R37 R37 R37 R37 R37: library part RES0, "贴片电阻 5%"
R12 R12 R12 R12 R12 R12 R35 R35 R35 R35 R35 R35 R41 R41 R41 R41 R41 R41: library part RES0, "贴片电阻 1%"
R20 R20 R20 R20 R20 R20 R21 R21 R21 R21 R21 R21 R22 R22 R22 R22 R22 R22 R23 R23 R23 R23 R23 R23 R24 R24 R24 R24 R24 R24 R25 R25 R25 R25 R25 R25 R26 R26 R26 R26 R26 R26 R27 R27 R27 R27 R27 R27 R28 R28 R28 R28 R28 R28 R29 R29 R29 R29 R29 R29 R33 R33 R33 R33 R33 R33: library part R, "贴片电阻 5%"
R30 R30 R30 R30 R30 R30 R31 R31 R31 R31 R31 R31 R32 R32 R32 R32 R32 R32 R34 R34 R34 R34 R34 R34 R36 R36 R36 R36 R36 R36 R38 R38 R38 R38 R38 R38 R39 R39 R39 R39 R39 R39 R40 R40 R40 R40 R40 R40 R42 R42 R42 R42 R42 R42 R43 R43 R43 R43 R43 R43 R45 R45 R45 R45 R45 R45 R46 R46 R46 R46 R46 R46: library part R, "贴片电阻 1%"
R44 R44 R44 R44 R44 R44: library part R, "贴片电阻 0.1%"
SW1 SW1 SW1 SW1 SW1 SW1: "3*6*3.5侧贴按键(编带)"
TP1 TP1 TP1 TP1 TP1 TP1 TP2 TP2 TP2 TP2 TP2 TP2 TP3 TP3 TP3 TP3 TP3 TP3 TP4 TP4 TP4 TP4 TP4 TP4 TP5 TP5 TP5 TP5 TP5 TP5 TP6 TP6 TP6 TP6 TP6 TP6 TP7 TP7 TP7 TP7 TP7 TP7 TP8 TP8 TP8 TP8 TP8 TP8: library part TP-1, "测试点"
TVS1 TVS1 TVS1 TVS1 TVS1 TVS1 TVS2 TVS2 TVS2 TVS2 TVS2 TVS2 TVS3 TVS3 TVS3 TVS3 TVS3 TVS3 TVS4 TVS4 TVS4 TVS4 TVS4 TVS4 TVS5 TVS5 TVS5 TVS5 TVS5 TVS5 TVS6 TVS6 TVS6 TVS6 TVS6 TVS6 TVS7 TVS7 TVS7 TVS7 TVS7 TVS7 TVS8 TVS8 TVS8 TVS8 TVS8 TVS8: library part TVS-1, "ESD二极管"
U1 U1 U1 U1 U1 U1: "新唐MCU"
U2 U2 U2 U2 U2 U2: "逻辑IC"
U3 U3 U3 U3 U3 U3: library part TPS55340, "DCDC"
U4 U4 U4 U4 U4 U4: library part LM358, "运放"
U5 U5 U5 U5 U5 U5: "拓微"

## Free pads (board coordinates)
  round 3.5 hole 2: 0(10,2.58) 0(10.025,135.58) 0(200,2.42) 0(200,135.42)
  round 1.3 hole 0.5: 0(16.577,89.189) 0(16.583,25.189) 0(21.403,114.335) 0(21.409,50.335) 0(86.577,89.189) 0(86.583,25.189) 0(91.403,114.335) 0(91.409,50.335) 0(156.577,89.189) 0(156.583,25.189) 0(161.403,114.335) 0(161.409,50.335)
  round 3 hole 3 unplated: 0(18.922,81.849) 0(18.922,120.151) 0(18.928,17.849) 0(18.928,56.151) 0(22.956,104.024) 0(22.962,40.024) 0(35.931,122.554) 0(35.937,58.554) 0(49.992,101) 0(49.998,37) 0(88.922,81.849) 0(88.922,120.151) 0(88.928,17.849) 0(88.928,56.151) 0(92.956,104.024) 0(92.962,40.024) 0(105.931,122.554) 0(105.937,58.554) 0(119.992,101) 0(119.998,37) 0(158.922,81.849) 0(158.922,120.151) 0(158.928,17.849) 0(158.928,56.151) 0(162.956,104.024) 0(162.962,40.024) 0(175.931,122.554) 0(175.937,58.554) 0(189.992,101) 0(189.998,37)
  round 2.5 hole 1.5: 0(31.817,81.94) 0(31.823,17.94) 0(101.817,81.94) 0(101.823,17.94) 0(171.817,81.94) 0(171.823,17.94) 1(31.817,76.108) 1(31.823,12.108) 1(101.817,76.108) 1(101.823,12.108) 1(171.817,76.108) 1(171.823,12.108)
  rect 2.2x2.2 hole 2.2 square unplated: 0(59.823,92.418) 0(59.823,93.434) 0(59.823,108.674) 0(59.823,109.69) 0(59.829,28.418) 0(59.829,29.434) 0(59.829,44.674) 0(59.829,45.69) 0(129.823,92.418) 0(129.823,93.434) 0(129.823,108.674) 0(129.823,109.69) 0(129.829,28.418) 0(129.829,29.434) 0(129.829,44.674) 0(129.829,45.69) 0(199.823,92.418) 0(199.823,93.434) 0(199.823,108.674) 0(199.823,109.69) 0(199.829,28.418) 0(199.829,29.434) 0(199.829,44.674) 0(199.829,45.69)
  round 1 hole 0.4: 0(66.615,104.81) 0(66.621,40.81) 0(136.615,104.81) 0(136.621,40.81) 0(206.615,104.81) 0(206.621,40.81) 1(66.615,97.19) 1(66.621,33.19) 1(136.615,97.19) 1(136.621,33.19) 1(206.615,97.19) 1(206.621,33.19)

## Via types
v1: diameter 0.6, hole 0.3, Top Layer to Bottom Layer, 1968 vias
v2: diameter 0.8, hole 0.4, Top Layer to Bottom Layer, 102 vias